# KiCad board first_keyboard.kicad_pcb (continued)
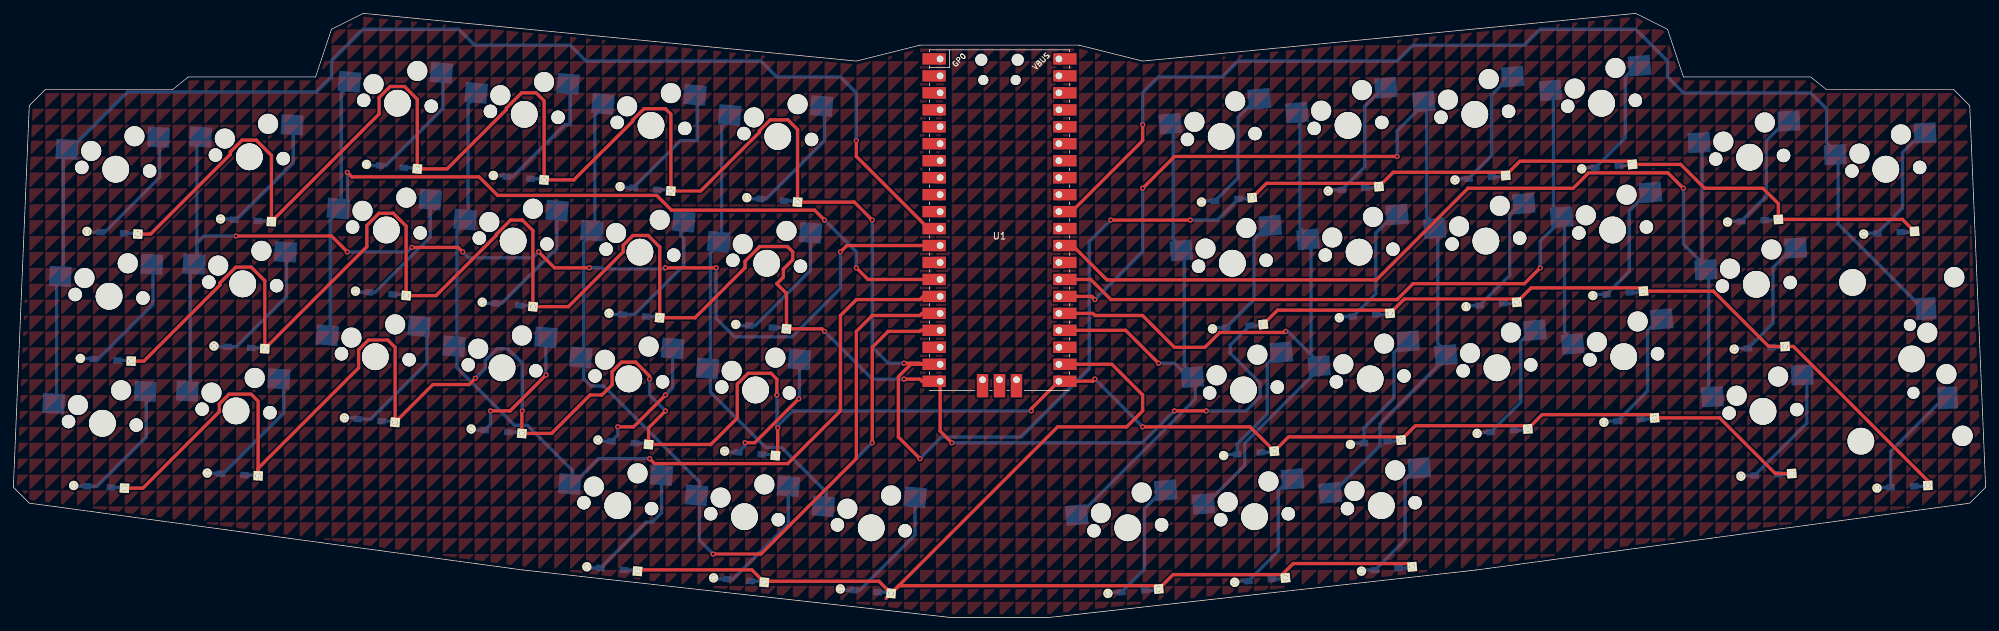
[diagram p0: board, top side]
## Copper pours and planes (outline as drawn; the poured copper is in the pictures) (continued)
(no net) on Top, Bottom: 266.7,119.06 266.7,116.68 269.08,119.06
(no net) on Top, Bottom: 292.89,69.06 292.89,66.68 295.27,69.06
(no net) on Top, Bottom: 166.69,121.44 166.69,119.06 169.07,121.44
(no net) on Top, Bottom: 66.67,50.01 66.67,47.62 69.06,50.01
(no net) on Top, Bottom: 223.84,90.49 223.84,88.11 226.22,90.49
(no net) on Top, Bottom: 71.44,4.76 71.44,2.38 73.82,4.76
(no net) on Top, Bottom: 200.02,102.39 200.02,100.01 202.41,102.39
(no net) on Top, Bottom: 152.4,135.73 152.4,133.35 154.78,135.73
(no net) on Top, Bottom: 85.73,150.02 85.73,147.64 88.11,150.02
(no net) on Top, Bottom: 126.21,47.62 126.21,45.24 128.59,47.62
(no net) on Top, Bottom: 195.26,28.57 195.26,26.19 197.64,28.57
(no net) on Top, Bottom: 254.79,-28.57 254.79,-30.96 257.18,-28.57
(no net) on Top, Bottom: 145.26,109.54 145.26,107.16 147.64,109.54
(no net) on Top, Bottom: 290.51,50.01 290.51,47.62 292.89,50.01
(no net) on Top, Bottom: 64.29,45.24 64.29,42.86 66.67,45.24
(no net) on Top, Bottom: 216.69,-11.91 216.69,-14.29 219.07,-11.91
(no net) on Top, Bottom: 290.51,4.76 290.51,2.38 292.89,4.76
(no net) on Top, Bottom: 111.92,130.97 111.92,128.59 114.3,130.97
(no net) on Top, Bottom: 216.69,-4.76 216.69,-7.14 219.07,-4.76
(no net) on Top, Bottom: 21.43,19.05 21.43,16.67 23.81,19.05
(no net) on Top, Bottom: 30.96,111.92 30.96,109.54 33.34,111.92
(no net) on Top, Bottom: 30.96,-33.34 30.96,-35.72 33.34,-33.34
(no net) on Top, Bottom: 123.83,147.64 123.83,145.26 126.21,147.64
(no net) on Top, Bottom: 178.59,145.26 178.59,142.88 180.98,145.26
(no net) on Top, Bottom: 73.82,26.19 73.82,23.81 76.2,26.19
(no net) on Top, Bottom: 283.37,-4.76 283.37,-7.14 285.75,-4.76
(no net) on Top, Bottom: 271.46,138.11 271.46,135.73 273.84,138.11
(no net) on Top, Bottom: 283.37,138.11 283.37,135.73 285.75,138.11
(no net) on Top, Bottom: 214.31,114.3 214.31,111.92 216.69,114.3
(no net) on Top, Bottom: 302.42,45.24 302.42,42.86 304.8,45.24
(no net) on Top, Bottom: 254.79,21.43 254.79,19.05 257.18,21.43
(no net) on Top, Bottom: 111.92,7.14 111.92,4.76 114.3,7.14
(no net) on Top, Bottom: 104.77,16.67 104.77,14.29 107.16,16.67
(no net) on Top, Bottom: 138.11,23.81 138.11,21.43 140.49,23.81
(no net) on Top, Bottom: 169.07,111.92 169.07,109.54 171.45,111.92
(no net) on Top, Bottom: 188.12,57.15 188.12,54.77 190.5,57.15
(no net) on Top, Bottom: 71.44,104.78 71.44,102.39 73.82,104.78
(no net) on Top, Bottom: 254.79,23.81 254.79,21.43 257.18,23.81
(no net) on Top, Bottom: 228.6,88.11 228.6,85.72 230.98,88.11
(no net) on Top, Bottom: 35.72,40.48 35.72,38.1 38.1,40.48
(no net) on Top, Bottom: 116.68,47.62 116.68,45.24 119.06,47.62
(no net) on Top, Bottom: 273.84,142.88 273.84,140.49 276.22,142.88
(no net) on Top, Bottom: 23.81,52.39 23.81,50.01 26.19,52.39
(no net) on Top, Bottom: 126.21,104.78 126.21,102.39 128.59,104.78
(no net) on Top, Bottom: 300.04,90.49 300.04,88.11 302.42,90.49
(no net) on Top, Bottom: 47.62,66.68 47.62,64.29 50.01,66.68
(no net) on Top, Bottom: 252.41,-4.76 252.41,-7.14 254.79,-4.76
(no net) on Top, Bottom: 71.44,92.87 71.44,90.49 73.82,92.87
(no net) on Top, Bottom: 2.38,83.34 2.38,80.96 4.76,83.34
(no net) on Top, Bottom: 290.51,57.15 290.51,54.77 292.89,57.15
(no net) on Top, Bottom: 190.5,83.34 190.5,80.96 192.88,83.34
(no net) on Top, Bottom: 188.12,114.3 188.12,111.92 190.5,114.3
(no net) on Top, Bottom: 150.02,104.78 150.02,102.39 152.4,104.78
(no net) on Top, Bottom: 290.51,83.34 290.51,80.96 292.89,83.34
(no net) on Top, Bottom: 197.64,121.44 197.64,119.06 200.02,121.44
(no net) on Top, Bottom: 92.87,61.91 92.87,59.53 95.25,61.91
(no net) on Top, Bottom: 33.34,109.54 33.34,107.16 35.72,109.54
(no net) on Top, Bottom: 278.61,71.44 278.61,69.06 280.99,71.44
(no net) on Top, Bottom: 192.88,9.53 192.88,7.14 195.26,9.53
(no net) on Top, Bottom: 126.21,38.1 126.21,35.72 128.59,38.1
(no net) on Top, Bottom: 130.97,19.05 130.97,16.67 133.35,19.05
(no net) on Top, Bottom: 290.51,100.01 290.51,97.63 292.89,100.01
(no net) on Top, Bottom: 69.06,14.29 69.06,11.91 71.44,14.29
(no net) on Top, Bottom: 76.2,-7.14 76.2,-9.53 78.58,-7.14
(no net) on Top, Bottom: 111.92,133.35 111.92,130.97 114.3,133.35
(no net) on Top, Bottom: 233.36,109.54 233.36,107.16 235.74,109.54
(no net) on Top, Bottom: 90.49,-2.38 90.49,-4.76 92.87,-2.38
(no net) on Top, Bottom: 123.83,-11.91 123.83,-14.29 126.21,-11.91
(no net) on Top, Bottom: 183.36,45.24 183.36,42.86 185.74,45.24
(no net) on Top, Bottom: 297.66,19.05 297.66,16.67 300.04,19.05
(no net) on Top, Bottom: 261.94,2.38 261.94,0 264.32,2.38
(no net) on Top, Bottom: 90.49,-26.19 90.49,-28.57 92.87,-26.19
(no net) on Top, Bottom: 92.87,116.68 92.87,114.3 95.25,116.68
(no net) on Top, Bottom: 207.17,116.68 207.17,114.3 209.55,116.68
(no net) on Top, Bottom: 219.07,-38.1 219.07,-40.48 221.46,-38.1
(no net) on Top, Bottom: 33.34,92.87 33.34,90.49 35.72,92.87
(no net) on Top, Bottom: 290.51,76.2 290.51,73.82 292.89,76.2
(no net) on Top, Bottom: 221.46,57.15 221.46,54.77 223.84,57.15
(no net) on Top, Bottom: 21.43,114.3 21.43,111.92 23.81,114.3
(no net) on Top, Bottom: 152.4,88.11 152.4,85.72 154.78,88.11
(no net) on Top, Bottom: 116.68,69.06 116.68,66.68 119.06,69.06
(no net) on Top, Bottom: 159.54,73.82 159.54,71.44 161.93,73.82
(no net) on Top, Bottom: 280.99,128.59 280.99,126.21 283.37,128.59
(no net) on Top, Bottom: 114.3,66.68 114.3,64.29 116.68,66.68
(no net) on Top, Bottom: 202.41,126.21 202.41,123.83 204.79,126.21
(no net) on Top, Bottom: 183.36,-11.91 183.36,-14.29 185.74,-11.91
(no net) on Top, Bottom: 164.31,-28.57 164.31,-30.96 166.69,-28.57
(no net) on Top, Bottom: 97.63,57.15 97.63,54.77 100.01,57.15
(no net) on Top, Bottom: 264.32,-14.29 264.32,-16.67 266.7,-14.29
(no net) on Top, Bottom: 197.64,33.34 197.64,30.96 200.02,33.34
(no net) on Top, Bottom: 250.03,38.1 250.03,35.72 252.41,38.1
(no net) on Top, Bottom: 192.88,61.91 192.88,59.53 195.26,61.91
(no net) on Top, Bottom: 161.93,59.53 161.93,57.15 164.31,59.53
(no net) on Top, Bottom: 209.55,16.67 209.55,14.29 211.93,16.67
(no net) on Top, Bottom: 71.44,-21.43 71.44,-23.81 73.82,-21.43
(no net) on Top, Bottom: 114.3,90.49 114.3,88.11 116.68,90.49
(no net) on Top, Bottom: 233.36,-16.67 233.36,-19.05 235.74,-16.67
(no net) on Top, Bottom: 126.21,50.01 126.21,47.62 128.59,50.01
(no net) on Top, Bottom: 197.64,138.11 197.64,135.73 200.02,138.11
(no net) on Top, Bottom: 7.14,109.54 7.14,107.16 9.53,109.54
(no net) on Top, Bottom: 92.87,130.97 92.87,128.59 95.25,130.97
(no net) on Top, Bottom: 97.63,83.34 97.63,80.96 100.01,83.34
(no net) on Top, Bottom: 176.21,123.83 176.21,121.44 178.59,123.83
(no net) on Top, Bottom: 266.7,128.59 266.7,126.21 269.08,128.59
(no net) on Top, Bottom: 297.66,135.73 297.66,133.35 300.04,135.73
(no net) on Top, Bottom: 80.96,23.81 80.96,21.43 83.34,23.81
(no net) on Top, Bottom: 259.56,100.01 259.56,97.63 261.94,100.01
(no net) on Top, Bottom: 30.96,42.86 30.96,40.48 33.34,42.86
(no net) on Top, Bottom: 47.62,42.86 47.62,40.48 50.01,42.86
(no net) on Top, Bottom: 0,4.76 0,2.38 2.38,4.76
(no net) on Top, Bottom: 4.76,90.49 4.76,88.11 7.14,90.49
(no net) on Top, Bottom: 50.01,100.01 50.01,97.63 52.39,100.01
(no net) on Top, Bottom: 128.59,64.29 128.59,61.91 130.97,64.29
(no net) on Top, Bottom: 240.51,52.39 240.51,50.01 242.89,52.39
(no net) on Top, Bottom: 9.53,83.34 9.53,80.96 11.91,83.34
(no net) on Top, Bottom: 185.74,-2.38 185.74,-4.76 188.12,-2.38
(no net) on Top, Bottom: 157.16,88.11 157.16,85.72 159.54,88.11
(no net) on Top, Bottom: 302.42,90.49 302.42,88.11 304.8,90.49
(no net) on Top, Bottom: 140.49,130.97 140.49,128.59 142.88,130.97
(no net) on Top, Bottom: 219.07,119.06 219.07,116.68 221.46,119.06
(no net) on Top, Bottom: 123.83,19.05 123.83,16.67 126.21,19.05
(no net) on Top, Bottom: 264.32,69.06 264.32,66.68 266.7,69.06
(no net) on Top, Bottom: 188.12,116.68 188.12,114.3 190.5,116.68
(no net) on Top, Bottom: 288.13,64.29 288.13,61.91 290.51,64.29
(no net) on Top, Bottom: 247.65,50.01 247.65,47.62 250.03,50.01
(no net) on Top, Bottom: 133.35,30.96 133.35,28.57 135.73,30.96
(no net) on Top, Bottom: 280.99,9.53 280.99,7.14 283.37,9.53
(no net) on Top, Bottom: 61.91,52.39 61.91,50.01 64.29,52.39
(no net) on Top, Bottom: 71.44,42.86 71.44,40.48 73.82,42.86
(no net) on Top, Bottom: 33.34,116.68 33.34,114.3 35.72,116.68
(no net) on Top, Bottom: 283.37,73.82 283.37,71.44 285.75,73.82
(no net) on Top, Bottom: 204.79,-11.91 204.79,-14.29 207.17,-11.91
(no net) on Top, Bottom: 230.98,142.88 230.98,140.49 233.36,142.88
(no net) on Top, Bottom: 50.01,4.76 50.01,2.38 52.39,4.76
(no net) on Top, Bottom: 235.74,35.72 235.74,33.34 238.12,35.72
(no net) on Top, Bottom: 180.98,100.01 180.98,97.63 183.36,100.01
(no net) on Top, Bottom: 133.35,73.82 133.35,71.44 135.73,73.82
(no net) on Top, Bottom: 180.98,123.83 180.98,121.44 183.36,123.83
(no net) on Top, Bottom: 221.46,95.25 221.46,92.87 223.84,95.25
(no net) on Top, Bottom: 59.53,-35.72 59.53,-38.1 61.91,-35.72
(no net) on Top, Bottom: 164.31,150.02 164.31,147.64 166.69,150.02
(no net) on Top, Bottom: 188.12,80.96 188.12,78.58 190.5,80.96
(no net) on Top, Bottom: 180.98,40.48 180.98,38.1 183.36,40.48
(no net) on Top, Bottom: 100.01,130.97 100.01,128.59 102.39,130.97
(no net) on Top, Bottom: 176.21,92.87 176.21,90.49 178.59,92.87
(no net) on Top, Bottom: 83.34,28.57 83.34,26.19 85.73,28.57
(no net) on Top, Bottom: 235.74,16.67 235.74,14.29 238.12,16.67
(no net) on Top, Bottom: 214.31,16.67 214.31,14.29 216.69,16.67
(no net) on Top, Bottom: 290.51,-4.76 290.51,-7.14 292.89,-4.76
(no net) on Top, Bottom: 297.66,59.53 297.66,57.15 300.04,59.53
(no net) on Top, Bottom: 173.83,109.54 173.83,107.16 176.21,109.54
(no net) on Top, Bottom: 273.84,145.26 273.84,142.88 276.22,145.26
(no net) on Top, Bottom: 69.06,83.34 69.06,80.96 71.44,83.34
(no net) on Top, Bottom: 50.01,42.86 50.01,40.48 52.39,42.86
(no net) on Top, Bottom: 73.82,142.88 73.82,140.49 76.2,142.88
(no net) on Top, Bottom: 219.07,107.16 219.07,104.78 221.46,107.16
(no net) on Top, Bottom: 59.53,133.35 59.53,130.97 61.91,133.35
(no net) on Top, Bottom: 207.17,138.11 207.17,135.73 209.55,138.11
(no net) on Top, Bottom: 21.43,-26.19 21.43,-28.57 23.81,-26.19
(no net) on Top, Bottom: 142.88,71.44 142.88,69.06 145.26,71.44
(no net) on Top, Bottom: 73.82,0 73.82,-2.38 76.2,0
(no net) on Top, Bottom: 152.4,33.34 152.4,30.96 154.78,33.34
(no net) on Top, Bottom: 33.34,-2.38 33.34,-4.76 35.72,-2.38
(no net) on Top, Bottom: 161.93,104.78 161.93,102.39 164.31,104.78
(no net) on Top, Bottom: 42.86,90.49 42.86,88.11 45.24,90.49
(no net) on Top, Bottom: 9.53,28.57 9.53,26.19 11.91,28.57
(no net) on Top, Bottom: 266.7,-33.34 266.7,-35.72 269.08,-33.34
(no net) on Top, Bottom: 69.06,-28.57 69.06,-30.96 71.44,-28.57
(no net) on Top, Bottom: 54.77,78.58 54.77,76.2 57.15,78.58
(no net) on Top, Bottom: 188.12,38.1 188.12,35.72 190.5,38.1
(no net) on Top, Bottom: 104.77,-16.67 104.77,-19.05 107.16,-16.67
(no net) on Top, Bottom: 233.36,-30.96 233.36,-33.34 235.74,-30.96
(no net) on Top, Bottom: 216.69,-26.19 216.69,-28.57 219.07,-26.19
(no net) on Top, Bottom: 154.78,2.38 154.78,0 157.16,2.38
(no net) on Top, Bottom: 95.25,116.68 95.25,114.3 97.63,116.68
(no net) on Top, Bottom: 266.7,47.62 266.7,45.24 269.08,47.62
(no net) on Top, Bottom: 2.38,69.06 2.38,66.68 4.76,69.06
(no net) on Top, Bottom: 95.25,145.26 95.25,142.88 97.63,145.26
(no net) on Top, Bottom: 21.43,-11.91 21.43,-14.29 23.81,-11.91
(no net) on Top, Bottom: 278.61,100.01 278.61,97.63 280.99,100.01
(no net) on Top, Bottom: 38.1,14.29 38.1,11.91 40.48,14.29
(no net) on Top, Bottom: 111.92,95.25 111.92,92.87 114.3,95.25
(no net) on Top, Bottom: 138.11,138.11 138.11,135.73 140.49,138.11
(no net) on Top, Bottom: 166.69,133.35 166.69,130.97 169.07,133.35
(no net) on Top, Bottom: 254.79,-26.19 254.79,-28.57 257.18,-26.19
(no net) on Top, Bottom: 64.29,71.44 64.29,69.06 66.67,71.44
(no net) on Top, Bottom: 250.03,21.43 250.03,19.05 252.41,21.43
(no net) on Top, Bottom: 121.44,104.78 121.44,102.39 123.83,104.78
(no net) on Top, Bottom: 200.02,-33.34 200.02,-35.72 202.41,-33.34
(no net) on Top, Bottom: 7.14,-30.96 7.14,-33.34 9.53,-30.96
(no net) on Top, Bottom: 66.67,-23.81 66.67,-26.19 69.06,-23.81
(no net) on Top, Bottom: 207.17,-28.57 207.17,-30.96 209.55,-28.57
(no net) on Top, Bottom: 83.34,128.59 83.34,126.21 85.73,128.59
(no net) on Top, Bottom: 171.45,40.48 171.45,38.1 173.83,40.48
(no net) on Top, Bottom: 235.74,128.59 235.74,126.21 238.12,128.59
(no net) on Top, Bottom: 269.08,30.96 269.08,28.57 271.46,30.96
(no net) on Top, Bottom: 202.41,80.96 202.41,78.58 204.79,80.96
(no net) on Top, Bottom: 266.7,102.39 266.7,100.01 269.08,102.39
(no net) on Top, Bottom: 178.59,28.57 178.59,26.19 180.98,28.57
(no net) on Top, Bottom: 259.56,19.05 259.56,16.67 261.94,19.05
(no net) on Top, Bottom: 64.29,4.76 64.29,2.38 66.67,4.76
(no net) on Top, Bottom: 147.64,38.1 147.64,35.72 150.02,38.1
(no net) on Top, Bottom: 35.72,90.49 35.72,88.11 38.1,90.49
(no net) on Top, Bottom: 45.24,52.39 45.24,50.01 47.62,52.39
(no net) on Top, Bottom: 197.64,-14.29 197.64,-16.67 200.02,-14.29
(no net) on Top, Bottom: 52.39,26.19 52.39,23.81 54.77,26.19
(no net) on Top, Bottom: 19.05,47.62 19.05,45.24 21.43,47.62
(no net) on Top, Bottom: 11.91,26.19 11.91,23.81 14.29,26.19
(no net) on Top, Bottom: 30.96,38.1 30.96,35.72 33.34,38.1
(no net) on Top, Bottom: 152.4,100.01 152.4,97.63 154.78,100.01
(no net) on Top, Bottom: 128.59,119.06 128.59,116.68 130.97,119.06
(no net) on Top, Bottom: 88.11,145.26 88.11,142.88 90.49,145.26
(no net) on Top, Bottom: 83.34,57.15 83.34,54.77 85.73,57.15
(no net) on Top, Bottom: 45.24,0 45.24,-2.38 47.62,0
(no net) on Top, Bottom: 242.89,14.29 242.89,11.91 245.27,14.29
(no net) on Top, Bottom: 202.41,116.68 202.41,114.3 204.79,116.68
(no net) on Top, Bottom: 92.87,90.49 92.87,88.11 95.25,90.49
(no net) on Top, Bottom: 78.58,-16.67 78.58,-19.05 80.96,-16.67
(no net) on Top, Bottom: 238.12,9.53 238.12,7.14 240.51,9.53
(no net) on Top, Bottom: 171.45,133.35 171.45,130.97 173.83,133.35
(no net) on Top, Bottom: 52.39,9.53 52.39,7.14 54.77,9.53
(no net) on Top, Bottom: 219.07,-9.53 219.07,-11.91 221.46,-9.53
(no net) on Top, Bottom: 61.91,90.49 61.91,88.11 64.29,90.49
(no net) on Top, Bottom: 235.74,123.83 235.74,121.44 238.12,123.83
(no net) on Top, Bottom: 173.83,119.06 173.83,116.68 176.21,119.06
(no net) on Top, Bottom: 264.32,-16.67 264.32,-19.05 266.7,-16.67
(no net) on Top, Bottom: 242.89,2.38 242.89,0 245.27,2.38
(no net) on Top, Bottom: 250.03,19.05 250.03,16.67 252.41,19.05
(no net) on Top, Bottom: 226.22,50.01 226.22,47.62 228.6,50.01
(no net) on Top, Bottom: 252.41,66.68 252.41,64.29 254.79,66.68
(no net) on Top, Bottom: 214.31,126.21 214.31,123.83 216.69,126.21
(no net) on Top, Bottom: 273.84,0 273.84,-2.38 276.22,0
(no net) on Top, Bottom: 271.46,121.44 271.46,119.06 273.84,121.44
(no net) on Top, Bottom: 250.03,33.34 250.03,30.96 252.41,33.34
(no net) on Top, Bottom: 192.88,147.64 192.88,145.26 195.26,147.64
(no net) on Top, Bottom: 92.87,69.06 92.87,66.68 95.25,69.06
(no net) on Top, Bottom: 285.75,-35.72 285.75,-38.1 288.13,-35.72
(no net) on Top, Bottom: 185.74,123.83 185.74,121.44 188.12,123.83
(no net) on Top, Bottom: 304.8,-38.1 304.8,-40.48 307.18,-38.1
(no net) on Top, Bottom: 190.5,138.11 190.5,135.73 192.88,138.11
(no net) on Top, Bottom: 233.36,126.21 233.36,123.83 235.74,126.21
(no net) on Top, Bottom: 100.01,9.53 100.01,7.14 102.39,9.53
(no net) on Top, Bottom: 142.88,95.25 142.88,92.87 145.26,95.25
(no net) on Top, Bottom: 66.67,-35.72 66.67,-38.1 69.06,-35.72
(no net) on Top, Bottom: 145.26,114.3 145.26,111.92 147.64,114.3
(no net) on Top, Bottom: 21.43,26.19 21.43,23.81 23.81,26.19
(no net) on Top, Bottom: 273.84,100.01 273.84,97.63 276.22,100.01
(no net) on Top, Bottom: 133.35,104.78 133.35,102.39 135.73,104.78
(no net) on Top, Bottom: 219.07,0 219.07,-2.38 221.46,0
(no net) on Top, Bottom: 278.61,30.96 278.61,28.57 280.99,30.96
(no net) on Top, Bottom: 121.44,33.34 121.44,30.96 123.83,33.34
(no net) on Top, Bottom: 302.42,2.38 302.42,0 304.8,2.38
(no net) on Top, Bottom: 278.61,138.11 278.61,135.73 280.99,138.11
(no net) on Top, Bottom: 257.18,9.53 257.18,7.14 259.56,9.53
(no net) on Top, Bottom: 190.5,92.87 190.5,90.49 192.88,92.87
(no net) on Top, Bottom: 4.76,-38.1 4.76,-40.48 7.14,-38.1
(no net) on Top, Bottom: 271.46,107.16 271.46,104.78 273.84,107.16
(no net) on Top, Bottom: 192.88,116.68 192.88,114.3 195.26,116.68
(no net) on Top, Bottom: 66.67,-33.34 66.67,-35.72 69.06,-33.34
(no net) on Top, Bottom: 85.73,102.39 85.73,100.01 88.11,102.39
(no net) on Top, Bottom: 28.58,50.01 28.58,47.62 30.96,50.01
(no net) on Top, Bottom: 78.58,57.15 78.58,54.77 80.96,57.15
(no net) on Top, Bottom: 30.96,9.53 30.96,7.14 33.34,9.53
(no net) on Top, Bottom: 126.21,33.34 126.21,30.96 128.59,33.34
(no net) on Top, Bottom: 140.49,-4.76 140.49,-7.14 142.88,-4.76
(no net) on Top, Bottom: 11.91,-19.05 11.91,-21.43 14.29,-19.05
(no net) on Top, Bottom: 104.77,78.58 104.77,76.2 107.16,78.58
(no net) on Top, Bottom: 69.06,109.54 69.06,107.16 71.44,109.54
(no net) on Top, Bottom: 147.64,33.34 147.64,30.96 150.02,33.34
(no net) on Top, Bottom: 45.24,126.21 45.24,123.83 47.62,126.21
(no net) on Top, Bottom: 302.42,-30.96 302.42,-33.34 304.8,-30.96
(no net) on Top, Bottom: 147.64,-16.67 147.64,-19.05 150.02,-16.67
(no net) on Top, Bottom: 76.2,-4.76 76.2,-7.14 78.58,-4.76
(no net) on Top, Bottom: 304.8,88.11 304.8,85.72 307.18,88.11
(no net) on Top, Bottom: 211.93,119.06 211.93,116.68 214.31,119.06
(no net) on Top, Bottom: 66.67,123.83 66.67,121.44 69.06,123.83
(no net) on Top, Bottom: 83.34,40.48 83.34,38.1 85.73,40.48
(no net) on Top, Bottom: 297.66,-14.29 297.66,-16.67 300.04,-14.29
(no net) on Top, Bottom: 16.67,16.67 16.67,14.29 19.05,16.67
(no net) on Top, Bottom: 161.93,147.64 161.93,145.26 164.31,147.64
(no net) on Top, Bottom: 207.17,-38.1 207.17,-40.48 209.55,-38.1
(no net) on Top, Bottom: 180.98,19.05 180.98,16.67 183.36,19.05
(no net) on Top, Bottom: 176.21,23.81 176.21,21.43 178.59,23.81
(no net) on Top, Bottom: 257.18,28.57 257.18,26.19 259.56,28.57
(no net) on Top, Bottom: 92.87,97.63 92.87,95.25 95.25,97.63
(no net) on Top, Bottom: 0,-26.19 0,-28.57 2.38,-26.19
(no net) on Top, Bottom: 216.69,66.68 216.69,64.29 219.07,66.68
(no net) on Top, Bottom: 104.77,126.21 104.77,123.83 107.16,126.21
(no net) on Top, Bottom: 235.74,71.44 235.74,69.06 238.12,71.44
(no net) on Top, Bottom: 295.27,83.34 295.27,80.96 297.66,83.34
(no net) on Top, Bottom: 228.6,-19.05 228.6,-21.43 230.98,-19.05
(no net) on Top, Bottom: 50.01,116.68 50.01,114.3 52.39,116.68
(no net) on Top, Bottom: 295.27,21.43 295.27,19.05 297.66,21.43
(no net) on Top, Bottom: 107.16,-16.67 107.16,-19.05 109.54,-16.67
(no net) on Top, Bottom: 252.41,16.67 252.41,14.29 254.79,16.67
(no net) on Top, Bottom: 176.21,140.49 176.21,138.11 178.59,140.49
(no net) on Top, Bottom: 173.83,-7.14 173.83,-9.53 176.21,-7.14
(no net) on Top, Bottom: 202.41,50.01 202.41,47.62 204.79,50.01
(no net) on Top, Bottom: 300.04,102.39 300.04,100.01 302.42,102.39
(no net) on Top, Bottom: 11.91,57.15 11.91,54.77 14.29,57.15
(no net) on Top, Bottom: 142.88,59.53 142.88,57.15 145.26,59.53
(no net) on Top, Bottom: 111.92,109.54 111.92,107.16 114.3,109.54
(no net) on Top, Bottom: 130.97,-16.67 130.97,-19.05 133.35,-16.67
(no net) on Top, Bottom: 54.77,114.3 54.77,111.92 57.15,114.3
(no net) on Top, Bottom: 171.45,73.82 171.45,71.44 173.83,73.82
(no net) on Top, Bottom: 90.49,109.54 90.49,107.16 92.87,109.54
(no net) on Top, Bottom: 121.44,-23.81 121.44,-26.19 123.83,-23.81
(no net) on Top, Bottom: 35.72,-9.53 35.72,-11.91 38.1,-9.53
(no net) on Top, Bottom: 138.11,69.06 138.11,66.68 140.49,69.06
(no net) on Top, Bottom: 47.62,30.96 47.62,28.57 50.01,30.96
(no net) on Top, Bottom: 2.38,52.39 2.38,50.01 4.76,52.39
(no net) on Top, Bottom: 238.12,-4.76 238.12,-7.14 240.51,-4.76
(no net) on Top, Bottom: 183.36,64.29 183.36,61.91 185.74,64.29
(no net) on Top, Bottom: 280.99,114.3 280.99,111.92 283.37,114.3
(no net) on Top, Bottom: 16.67,-16.67 16.67,-19.05 19.05,-16.67
(no net) on Top, Bottom: 107.16,71.44 107.16,69.06 109.54,71.44
(no net) on Top, Bottom: 123.83,-7.14 123.83,-9.53 126.21,-7.14
(no net) on Top, Bottom: 95.25,0 95.25,-2.38 97.63,0
(no net) on Top, Bottom: 69.06,66.68 69.06,64.29 71.44,66.68
(no net) on Top, Bottom: 9.53,11.91 9.53,9.53 11.91,11.91
(no net) on Top, Bottom: 264.32,83.34 264.32,80.96 266.7,83.34
(no net) on Top, Bottom: 161.93,71.44 161.93,69.06 164.31,71.44
(no net) on Top, Bottom: 40.48,83.34 40.48,80.96 42.86,83.34
(no net) on Top, Bottom: 221.46,150.02 221.46,147.64 223.84,150.02
(no net) on Top, Bottom: 28.58,30.96 28.58,28.57 30.96,30.96
(no net) on Top, Bottom: 135.73,119.06 135.73,116.68 138.11,119.06
(no net) on Top, Bottom: 302.42,14.29 302.42,11.91 304.8,14.29
(no net) on Top, Bottom: 119.06,150.02 119.06,147.64 121.44,150.02
(no net) on Top, Bottom: 133.35,26.19 133.35,23.81 135.73,26.19
(no net) on Top, Bottom: 121.44,142.88 121.44,140.49 123.83,142.88
(no net) on Top, Bottom: 214.31,-23.81 214.31,-26.19 216.69,-23.81
(no net) on Top, Bottom: 42.86,-28.57 42.86,-30.96 45.24,-28.57
(no net) on Top, Bottom: 173.83,140.49 173.83,138.11 176.21,140.49
(no net) on Top, Bottom: 140.49,9.53 140.49,7.14 142.88,9.53
(no net) on Top, Bottom: 45.24,7.14 45.24,4.76 47.62,7.14
(no net) on Top, Bottom: 128.59,16.67 128.59,14.29 130.97,16.67
(no net) on Top, Bottom: 176.21,-23.81 176.21,-26.19 178.59,-23.81
(no net) on Top, Bottom: 76.2,-28.57 76.2,-30.96 78.58,-28.57
(no net) on Top, Bottom: 190.5,11.91 190.5,9.53 192.88,11.91
(no net) on Top, Bottom: 73.82,38.1 73.82,35.72 76.2,38.1
(no net) on Top, Bottom: 50.01,30.96 50.01,28.57 52.39,30.96
(no net) on Top, Bottom: 164.31,119.06 164.31,116.68 166.69,119.06
(no net) on Top, Bottom: 278.61,130.97 278.61,128.59 280.99,130.97
(no net) on Top, Bottom: 261.94,33.34 261.94,30.96 264.32,33.34
(no net) on Top, Bottom: 211.93,126.21 211.93,123.83 214.31,126.21
(no net) on Top, Bottom: 159.54,11.91 159.54,9.53 161.93,11.91
(no net) on Top, Bottom: 88.11,30.96 88.11,28.57 90.49,30.96
(no net) on Top, Bottom: 195.26,11.91 195.26,9.53 197.64,11.91
(no net) on Top, Bottom: 240.51,-28.57 240.51,-30.96 242.89,-28.57
(no net) on Top, Bottom: 245.27,50.01 245.27,47.62 247.65,50.01
(no net) on Top, Bottom: 97.63,38.1 97.63,35.72 100.01,38.1
(no net) on Top, Bottom: 111.92,54.77 111.92,52.39 114.3,54.77
(no net) on Top, Bottom: 135.73,-35.72 135.73,-38.1 138.11,-35.72
(no net) on Top, Bottom: 16.67,-30.96 16.67,-33.34 19.05,-30.96
(no net) on Top, Bottom: 292.89,76.2 292.89,73.82 295.27,76.2
(no net) on Top, Bottom: 71.44,47.62 71.44,45.24 73.82,47.62
(no net) on Top, Bottom: 92.87,35.72 92.87,33.34 95.25,35.72
(no net) on Top, Bottom: 235.74,-30.96 235.74,-33.34 238.12,-30.96
(no net) on Top, Bottom: 133.35,66.68 133.35,64.29 135.73,66.68
(no net) on Top, Bottom: 226.22,116.68 226.22,114.3 228.6,116.68
(no net) on Top, Bottom: 209.55,-9.53 209.55,-11.91 211.93,-9.53
(no net) on Top, Bottom: 73.82,138.11 73.82,135.73 76.2,138.11
(no net) on Top, Bottom: 200.02,111.92 200.02,109.54 202.41,111.92
(no net) on Top, Bottom: 14.29,61.91 14.29,59.53 16.67,61.91
(no net) on Top, Bottom: 0,69.06 0,66.68 2.38,69.06
(no net) on Top, Bottom: 88.11,116.68 88.11,114.3 90.49,116.68
(no net) on Top, Bottom: 238.12,11.91 238.12,9.53 240.51,11.91
(no net) on Top, Bottom: 109.54,-16.67 109.54,-19.05 111.92,-16.67
(no net) on Top, Bottom: 269.08,54.77 269.08,52.39 271.46,54.77
(no net) on Top, Bottom: 188.12,111.92 188.12,109.54 190.5,111.92
(no net) on Top, Bottom: 290.51,147.64 290.51,145.26 292.89,147.64
(no net) on Top, Bottom: 221.46,9.53 221.46,7.14 223.84,9.53
(no net) on Top, Bottom: 183.36,150.02 183.36,147.64 185.74,150.02
(no net) on Top, Bottom: 97.63,-9.53 97.63,-11.91 100.01,-9.53
(no net) on Top, Bottom: 64.29,138.11 64.29,135.73 66.67,138.11
(no net) on Top, Bottom: 54.77,54.77 54.77,52.39 57.15,54.77
(no net) on Top, Bottom: 266.7,-26.19 266.7,-28.57 269.08,-26.19
(no net) on Top, Bottom: 33.34,-21.43 33.34,-23.81 35.72,-21.43
(no net) on Top, Bottom: 154.78,121.44 154.78,119.06 157.16,121.44
(no net) on Top, Bottom: 135.73,147.64 135.73,145.26 138.11,147.64
(no net) on Top, Bottom: 226.22,123.83 226.22,121.44 228.6,123.83
(no net) on Top, Bottom: 116.68,28.57 116.68,26.19 119.06,28.57
(no net) on Top, Bottom: 242.89,54.77 242.89,52.39 245.27,54.77
(no net) on Top, Bottom: 147.64,133.35 147.64,130.97 150.02,133.35
(no net) on Top, Bottom: 169.07,23.81 169.07,21.43 171.45,23.81
(no net) on Top, Bottom: 154.78,38.1 154.78,35.72 157.16,38.1
(no net) on Top, Bottom: 285.75,119.06 285.75,116.68 288.13,119.06
(no net) on Top, Bottom: 195.26,-19.05 195.26,-21.43 197.64,-19.05
(no net) on Top, Bottom: 147.64,-21.43 147.64,-23.81 150.02,-21.43
(no net) on Top, Bottom: 290.51,33.34 290.51,30.96 292.89,33.34
(no net) on Top, Bottom: 61.91,138.11 61.91,135.73 64.29,138.11